# Allegro board MB1225_REVB_160222_1K.brd (continued)
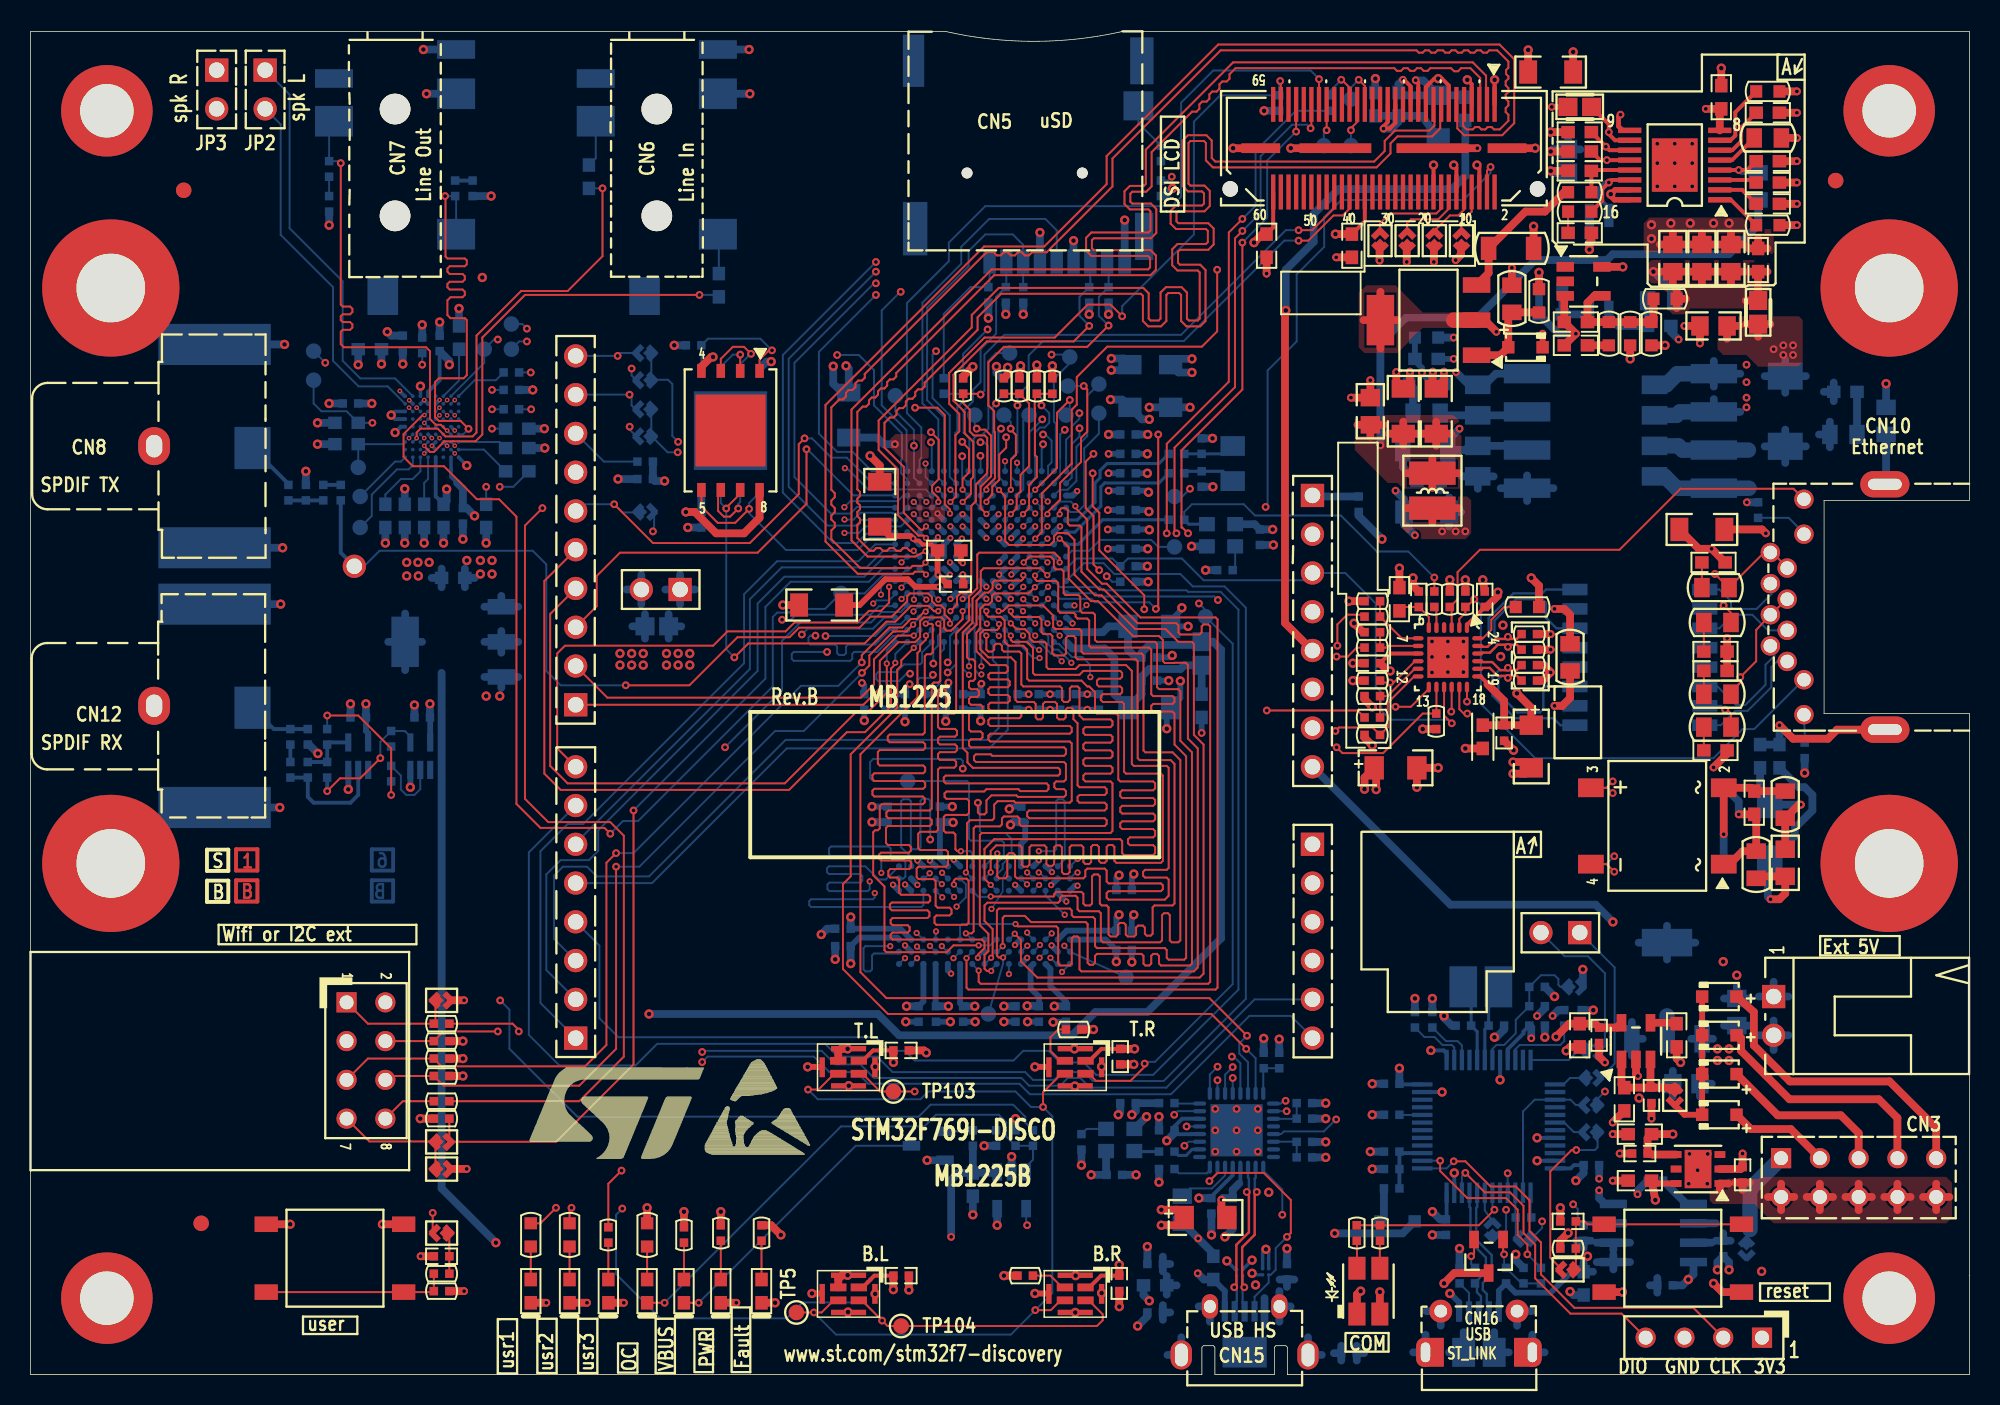
[diagram p0: board, top side]
## Routing (per net, layer and track width the routed paths; a pad name or vN(x,y) marks a point on that pad's centre or on a via; arc(x,y) is an arc through that point) (continued)
FMC_D13: length 58.7
  L4_SIG w0.102: v3(55.2,50.52) 56.49,50.52 56.62,50.39 56.62,47.12 56.74,46.99 58.47,46.99 58.72,47.24 60.12,47.24 60.58,46.79 62.46,46.79 64.03,45.21 64.03,43.05 64.57,42.52 65.38,42.52 67.06,40.84 73.36,40.84 74.9,39.29 74.9,25.27 74.78,25.15 69.42,25.15 69.29,25.27 69.29,28.7 68.96,29.03 68.96,33.4 v3(68.58,33.78)
  BOTTOM w0.127: v3(55.2,50.52) 55.21,50.52 55.42,50.72 56.24,50.72 56.63,51.12 U13.L15 ; U17.R1 68.1,33.3 v3(68.58,33.78)
FMC_D14: length 56.9
  L4_SIG w0.102: v3(67.74,30.12) 67.74,30.25 67.87,30.38 68.15,30.38 68.28,30.25 68.28,28.78 68.63,28.42 68.63,24.66 68.76,24.54 75.39,24.54 75.51,24.66 75.51,39.62 73.63,41.5 67.31,41.5 65.68,43.13 64.85,43.13 64.64,43.33 64.64,45.47 62.92,47.19 61.01,47.19 60.5,47.7 58.47,47.7 58.17,48.01 57.33,48.01 57.2,48.13 57.2,50.69 57.07,50.82 v3(57.05,50.82)
  BOTTOM w0.127: v3(67.74,30.12) 66.48,31.38 U17.N3 ; U13.L14 v3(57.05,50.82)
FMC_D15: length 59.2
  L4_SIG w0.102: v3(55.7,51.1) 55.7,50.98 55.83,50.85 56.52,50.85 56.92,50.44 56.92,47.37 57.05,47.24 58.34,47.24 58.57,47.47 60.27,47.47 60.76,46.99 62.69,46.99 64.34,45.34 64.34,43.18 64.69,42.82 65.56,42.82 67.23,41.15 73.48,41.15 75.21,39.42 75.21,24.97 75.08,24.84 69.11,24.84 68.99,24.97 68.99,28.57 68.63,28.93 68.63,31.45 68.2,31.88 68.2,32.51 v3(68.58,32.89)
  BOTTOM w0.127: v3(55.7,51.1) 55.7,51.69 56.01,51.99 U13.K15 ; v3(68.58,32.89) 68.48,32.89 U17.R2
FMC_D16: length 56.6
  L4_SIG w0.102: v2(52.17,47.35) 52.32,47.35 52.45,47.22 52.45,42.11 52.6,41.96 54.23,41.96 54.36,42.09 54.36,42.24 54.48,42.37 54.69,42.37 54.81,42.24 54.81,42.09 54.94,41.96 56.06,41.96 56.72,41.3 56.72,41.1 56.82,41 57.73,41 58.08,40.65 58.08,40.22 58.22,40.08 58.65,40.08 59,39.73 59,36.35 58.88,36.22 58.7,36.22 58.57,36.35 58.57,39.63 58.45,39.75 58.29,39.75 58.17,39.63 58.17,34.7 58.8,34.06 59.56,34.06 59.69,34.19 59.69,34.77 59.82,34.9 61.19,34.9 61.32,34.77 61.32,34.04 61.19,33.91 60.81,33.91 60.53,34.19 60.53,34.49 60.4,34.62 60.1,34.62 59.97,34.49 59.97,33.91 59.84,33.78 59.41,33.78 59.28,33.66 59.28,33.5 59.08,33.3 58.78,33.3 58.52,33.05 58.52,32.61 58.65,32.49 59.21,32.49 59.33,32.36 59.33,31.5 59.21,31.37 58.83,31.37 58.7,31.24 58.7,31.04 58.83,30.91 59.31,30.91 59.44,30.78 59.44,30.43 59.56,30.3 60.27,30.3 60.4,30.18 60.4,28.63 60.27,28.5 59.39,28.5 59.26,28.37 59.26,28.19 59.39,28.07 v3(59.69,28.07)
  BOTTOM w0.127: U13.P14 57.03,48.39 56.49,48.39 55.45,47.35 53.95,47.35 53.82,47.22 53.82,46.89 53.7,46.76 49.99,46.76 49.86,46.89 49.86,47.22 49.99,47.35 v2(52.17,47.35) ; v3(59.69,28.07) 60.06,27.7 U17.E8
FMC_D17: length 56.5
  L4_SIG w0.102: v2(52.07,48.39) 52.32,48.39 52.45,48.26 52.45,47.96 52.32,47.83 51.46,47.83 51.33,47.7 51.33,41.81 51.46,41.68 51.64,41.68 51.77,41.81 51.77,46.8 51.88,46.91 52.03,46.91 52.15,46.8 52.15,41.78 52.27,41.66 55.45,41.66 55.58,41.53 55.58,40.82 55.7,40.69 55.88,40.69 56.01,40.82 56.01,41.18 56.13,41.3 56.29,41.3 56.41,41.17 56.41,40.82 56.54,40.69 57.61,40.69 57.73,40.56 57.73,40.39 57.61,40.26 56.73,40.26 56.62,40.15 56.62,39.99 56.73,39.88 57.73,39.88 57.86,39.75 57.86,34.21 57.99,34.09 58.42,34.09 58.55,33.96 58.55,33.43 58.42,33.3 57.91,33.3 57.78,33.17 57.78,32.99 57.91,32.87 58.14,32.87 58.27,32.74 58.27,32.41 58.42,32.26 58.98,32.26 59.11,32.13 59.11,31.83 58.98,31.7 58.01,31.7 57.89,31.57 57.89,31.39 58.01,31.27 58.29,31.27 58.42,31.14 58.42,30.81 58.55,30.68 59.11,30.68 59.23,30.56 59.23,30.35 59.11,30.23 58.55,30.23 58.42,30.1 58.42,29.49 58.55,29.36 58.7,29.36 58.83,29.49 58.83,29.82 58.95,29.95 60.02,29.95 60.15,29.82 60.15,28.88 60.02,28.75 59.84,28.75 59.72,28.88 59.72,29.52 59.6,29.64 59.26,29.64 59.13,29.51 59.13,29.16 59.26,29.03 v3(59.31,29.03)
  BOTTOM w0.127: v2(52.07,48.39) 55.32,48.39 56.1,49.16 57,49.16 U13.N14 ; v3(59.31,29.03) 59.28,29.01 U17.D7
FMC_D18: length 56.5
  L4_SIG w0.102: v2(51.41,48.41) 51.41,48.23 51.03,47.85 51.03,41.48 51.16,41.35 55.14,41.35 55.27,41.22 55.27,40.49 55.37,40.39 56.17,40.39 56.29,40.27 56.29,40.1 56.17,39.98 55.37,39.98 55.27,39.88 55.27,39.65 55.37,39.55 57.44,39.55 57.56,39.43 57.56,39.26 57.44,39.14 55.37,39.14 55.27,39.04 55.27,38.81 55.4,38.68 56.67,38.68 56.77,38.58 56.77,38.33 56.69,38.25 55.68,38.25 55.55,38.13 55.55,37.9 55.68,37.77 56.62,37.77 56.74,37.64 56.74,32.76 56.86,32.64 57.03,32.64 57.15,32.76 57.15,38.74 57.27,38.86 57.44,38.86 57.56,38.74 57.56,32.61 57.68,32.49 57.68,31.24 58.17,30.76 58.17,29.34 58.45,29.06 58.79,29.06 58.91,28.93 v3(58.91,28.08)
  BOTTOM w0.127: v2(51.41,48.41) 51.08,48.41 50.95,48.29 50.95,47.96 51.08,47.83 52.7,47.83 52.83,47.7 52.83,47.27 52.96,47.14 53.29,47.14 53.42,47.27 53.42,47.7 53.54,47.83 55.32,47.83 56.29,48.79 U13.P15 ; U17.D8 59.28,27.71 v3(58.91,28.08)
FMC_D19: length 57.3
  L4_SIG w0.102: v2(50.52,48.49) 50.42,48.39 50.42,40.87 50.55,40.74 53.73,40.74 53.85,40.62 53.85,40.45 53.73,40.34 50.51,40.34 50.39,40.22 50.39,40.05 50.51,39.93 53.7,39.93 53.82,39.8 53.82,35.26 53.95,35.13 54.1,35.13 54.23,35.26 54.23,40.6 54.35,40.72 54.52,40.72 54.64,40.6 54.64,35.26 54.76,35.13 55.47,35.13 55.6,35.26 55.6,37.01 55.73,37.13 56.01,37.13 56.13,37.01 56.13,31.93 57.63,30.43 57.63,28.8 57.94,28.5 58.42,28.5 58.55,28.37 58.55,27.15 58.42,27.03 58.19,27.03 58.06,27.15 v3(58.06,27.28)
  BOTTOM w0.127: v2(50.52,48.49) 50.9,48.87 55.18,48.87 55.91,49.59 U13.N15 ; v3(58.06,27.28) U17.B9
FMC_D20: length 57
  L4_SIG w0.102: v3(58.06,28.04) 58.22,28.04 58.34,27.91 58.34,27.78 58.22,27.66 57.79,27.66 57.68,27.77 57.68,28.4 57.4,28.68 57.25,28.68 57,28.43 56.84,28.43 56.72,28.55 56.72,28.71 57.42,29.41 57.42,29.58 57.3,29.69 57.13,29.69 56.45,29.01 56.31,29.01 56.14,29.17 56.14,29.32 57.17,30.34 57.17,30.51 57.05,30.63 56.88,30.63 55.86,29.61 55.71,29.61 55.55,29.77 55.55,29.95 56.56,30.96 56.56,31.14 56.43,31.28 56.25,31.28 55.6,30.63 55.47,30.63 54.29,31.82 54.14,31.82 54.04,31.71 53.87,31.71 53.76,31.83 53.76,31.99 53.95,32.19 53.95,32.36 53.83,32.48 53.66,32.48 53.21,32.03 53.06,32.03 52.95,32.14 52.95,32.29 53.29,32.62 53.29,32.99 50.46,35.83 50.46,36.04 50.33,36.17 50.11,36.17 49.99,36.3 49.99,36.46 50.11,36.58 52.43,36.58 52.55,36.7 52.55,36.91 52.43,37.03 49.24,37.03 49.12,37.15 49.12,37.32 49.24,37.44 52.43,37.44 52.55,37.56 52.55,37.73 52.43,37.85 49.23,37.85 49.1,37.97 49.1,49.33 v2(49.23,49.45)
  BOTTOM w0.127: v3(58.06,28.04) 58.41,27.7 U17.C8 ; v2(49.23,49.45) 49.81,49.45 50.14,49.78 55.02,49.78 55.58,50.34 56.58,50.34 U13.M15
FMC_D21: length 57
  L4_SIG w0.102: v3(58.65,56.37) 58.65,56.62 58.53,56.74 57.56,56.74 57.43,56.87 57.43,57.23 57.3,57.35 57.05,57.35 56.92,57.23 56.92,55.68 56.82,55.58 56.62,55.58 56.52,55.68 56.52,57.23 56.39,57.35 56.24,57.35 56.11,57.23 56.11,55.68 56.01,55.58 55.8,55.58 55.7,55.68 55.7,57.23 55.58,57.35 55.42,57.35 55.3,57.23 55.3,55.68 55.19,55.58 54.99,55.58 54.89,55.68 54.89,57.23 54.76,57.35 54.61,57.35 54.48,57.23 54.48,55.68 54.38,55.58 54.18,55.58 54.08,55.68 54.08,57.23 53.95,57.35 53.11,57.35 48.77,53.01 48.77,37.06 52.86,32.97 52.86,32.66 52.53,32.33 52.53,32.13 53.26,31.39 54.28,31.39 54.3,31.37 54.31,31.37 55.24,30.43 55.24,29.64 56.67,28.22 56.67,27.61 57,27.28 v3(57.28,27.28)
  BOTTOM w0.127: U17.A9 57.26,27.28 v3(57.28,27.28) ; U13.E12 v3(58.65,56.37)
FMC_D22: length 56.6
  L4_SIG w0.102: v3(58.04,28.93) 57.89,29.08 57.89,30.61 56.92,31.57 56.92,32.21 56.44,32.69 56.44,37.26 56.23,37.47 55.55,37.47 55.3,37.72 55.12,37.72 54.94,37.9 54.94,40.92 54.81,41.05 50.85,41.05 50.72,41.17 50.72,48.01 50.95,48.23 50.95,48.69 50.72,48.92 50.72,49.1 50.85,49.23 51.27,49.23 51.38,49.34 51.38,49.51 51.27,49.63 50.85,49.63 50.72,49.76 50.72,49.91 50.85,50.04 52.33,50.04 52.45,50.16 52.45,50.33 52.33,50.44 50.85,50.44 50.72,50.57 50.72,50.72 50.85,50.85 52.33,50.85 52.45,50.97 52.45,51.14 52.33,51.26 50.85,51.26 50.72,51.38 50.72,51.54 50.85,51.66 52.33,51.66 52.45,51.78 52.45,51.95 52.33,52.07 50.85,52.07 50.72,52.2 50.72,52.4 50.85,52.53 52.33,52.53 52.45,52.65 52.45,52.81 52.33,52.93 50.85,52.93 50.72,53.06 50.72,53.24 50.9,53.42 52.32,53.42 52.45,53.54 52.45,53.72 52.32,53.85 51.71,53.85 51.59,53.98 51.59,54.1 52.65,55.17 52.81,55.17 52.93,55.04 52.93,54.86 53.06,54.74 53.47,54.74 53.98,55.24 57.05,55.24 57.23,55.42 57.23,56.34 57.35,56.46 57.76,56.46 v3(57.85,56.37)
  BOTTOM w0.102: U13.E13 v3(57.85,56.37)
  BOTTOM w0.127: U17.C7 58.47,28.5 v3(58.04,28.93)
FMC_D23: length 56.9
  L4_SIG w0.102: v3(56.31,28.07) 56.24,28.07 54.92,29.39 54.92,30.33 54.15,31.09 53.14,31.09 52.06,32.16 52.06,32.31 52.48,32.72 52.48,32.87 52.32,33.03 52.17,33.03 51.77,32.63 51.63,32.63 51.48,32.77 51.48,32.91 51.89,33.32 51.89,33.46 51.74,33.6 51.6,33.6 51.2,33.2 51.05,33.2 50.91,33.34 50.91,33.49 51.31,33.89 51.31,34.03 51.17,34.18 51.02,34.18 50.62,33.78 50.48,33.78 50.33,33.92 50.33,34.06 50.73,34.47 50.73,34.61 50.59,34.75 50.45,34.75 50.05,34.35 49.9,34.35 49.76,34.49 49.76,34.64 50.16,35.04 50.16,35.18 50.02,35.33 49.87,35.33 49.47,34.93 49.33,34.93 49.18,35.07 49.18,35.21 49.58,35.62 49.58,35.76 49.44,35.9 49.3,35.9 48.9,35.5 48.75,35.5 48.61,35.64 48.61,35.79 49.01,36.19 49.01,36.33 48.46,36.88 48.46,53.14 52.98,57.66 58.19,57.66 58.32,57.53 58.32,57.3 58.19,57.17 v3(57.85,57.17)
  BOTTOM w0.127: U17.A8 56.77,27.58 55.24,27.58 55.12,27.46 55.12,26.54 54.99,26.42 54.69,26.42 54.56,26.54 54.56,27.94 54.69,28.07 v3(56.31,28.07) ; U13.D13 v3(57.85,57.17)
FMC_D24: length 57.6
  L4_SIG w0.102: v3(53.31,55.14) 53.31,55.52 53.21,55.63 52.68,55.63 50.42,53.37 50.42,49 50.09,48.67 50.09,39.73 50.19,39.62 53.42,39.62 53.52,39.52 53.52,39.32 53.42,39.22 50.24,39.22 50.11,39.09 50.11,38.89 50.24,38.76 53.37,38.76 53.49,38.63 53.49,34.92 53.62,34.8 55.65,34.8 55.78,34.67 55.78,34.44 55.68,34.34 53.69,34.34 53.57,34.22 53.57,34.05 53.69,33.93 55.68,33.93 55.78,33.83 55.78,32.92 v3(55.73,32.87)
  BOTTOM w0.127: U17.A2 57.18,32.5 57.3,32.63 57.3,33.6 57.18,33.73 56.46,33.73 56.34,33.86 56.34,34.47 56.21,34.59 52.43,34.59 52.3,34.47 52.3,34.09 52.43,33.96 55.6,33.96 55.73,33.83 v3(55.73,32.87) ; v3(53.31,55.14) 54.25,55.14 54.69,55.58 57.01,55.58 U13.E14
FMC_D25: length 57
  L4_SIG w0.102: v3(55.3,31.55) 55.3,31.24 55.42,31.11 55.68,31.11 55.8,31.24 55.8,31.83 55.68,31.95 55.47,31.95 55.35,32.08 55.35,32.56 55.22,32.69 54.5,32.69 54.38,32.81 54.38,32.98 54.5,33.1 55.3,33.1 55.42,33.22 55.42,33.41 55.3,33.53 53.64,33.53 52.27,34.9 52.27,35.05 52.4,35.18 53.08,35.18 53.19,35.29 53.19,35.45 53.08,35.56 51.62,35.56 51.51,35.67 51.51,35.83 51.62,35.94 53.06,35.94 53.19,36.07 53.19,38.33 53.06,38.46 49.86,38.46 49.73,38.58 49.73,48.87 50.11,49.25 50.11,53.49 52.64,56.02 v3(53.31,56.02)
  BOTTOM w0.127: v3(55.3,31.55) 55.3,31.26 55.18,31.14 51.13,31.14 51,31.01 51,30.76 51.13,30.63 58.36,30.63 58.48,30.76 U17.C3 ; v3(53.31,56.02) 53.91,56.02 54.36,56.46 56.44,56.46 56.48,56.43 57.06,56.43 U13.D14
FMC_D26: length 57.1
  L4_SIG w0.102: v3(54.97,32.31) 54.99,32.28 54.99,32 54.86,31.88 54.66,31.88 54.53,32 54.53,32.21 54.05,32.69 54.05,33.1 53.94,33.21 53.53,33.21 50.77,35.97 50.77,36.13 50.89,36.25 52.76,36.25 52.88,36.37 52.88,38.02 52.76,38.15 49.53,38.15 49.4,38.28 49.4,48.97 49.81,49.38 49.81,50.7 49.58,50.93 49.2,50.93 49.07,51.05 49.07,51.26 49.2,51.38 49.71,51.38 49.81,51.49 49.81,51.69 49.71,51.79 49.17,51.79 49.07,51.89 49.07,52.1 49.17,52.2 49.68,52.2 49.78,52.3 49.78,52.5 49.68,52.6 49.19,52.6 49.07,52.72 49.07,52.88 49.19,53 49.7,53 49.78,53.09 49.78,53.59 53.02,56.83 v3(53.3,56.83)
  BOTTOM w0.127: v3(53.3,56.83) 53.7,57.23 56.48,57.23 56.48,57.23 56.79,57.23 57.16,57.59 U13.C14 ; U17.A1 56.02,32.44 55.55,32.44 54.69,33.3 52.3,33.3 52.17,33.17 52.17,32.92 52.3,32.79 54.36,32.79 54.48,32.66 54.48,32.36 54.36,32.23 52.32,32.23 52.2,32.11 52.2,31.8 52.32,31.67 54.84,31.67 54.97,31.8 v3(54.97,32.31)
FMC_D27: length 56.5
  L4_SIG w0.102: v3(58.89,32.84) 58.89,32.81 59.01,32.69 59.19,32.69 59.31,32.81 59.31,32.99 59.49,33.17 59.49,33.45 59.61,33.58 59.92,33.58 60.05,33.45 60.05,33.12 60.15,33.02 60.45,33.02 60.58,33.15 60.58,33.27 60.91,33.6 61.95,33.6 62.08,33.73 62.08,34.01 61.95,34.14 61.72,34.14 61.59,34.26 61.59,34.57 61.72,34.7 62.15,34.7 62.28,34.82 62.28,35.08 62.15,35.2 59.51,35.2 59.39,35.08 59.39,34.49 59.26,34.37 58.98,34.37 58.5,34.85 58.5,35.79 58.62,35.92 59.82,35.92 59.94,36.04 59.94,36.25 59.82,36.37 59.46,36.37 59.33,36.5 59.33,39.83 57.53,41.63 56.87,41.63 56.24,42.27 56.11,42.27 55.98,42.39 55.98,42.77 55.85,42.9 55.65,42.9 55.52,42.77 55.52,42.39 55.4,42.27 55.22,42.27 55.09,42.39 55.09,43.3 54.97,43.43 54.2,43.43 54.08,43.3 54.08,42.39 53.95,42.27 53.72,42.27 53.62,42.37 53.62,43.33 53.52,43.43 53.31,43.43 53.21,43.33 53.21,42.37 53.11,42.27 52.88,42.27 52.76,42.39 52.76,49.3 52.63,49.43 52.37,49.43 52.25,49.3 52.25,48.97 52.12,48.84 51.84,48.84 51.71,48.97 51.71,49.61 51.84,49.73 52.63,49.73 52.76,49.86 52.76,53.89 52.37,54.28 52.37,54.42 52.51,54.57 52.65,54.57 53.12,54.1 53.26,54.1 54.08,54.91 57.07,54.91 57.48,55.32 57.48,55.85 57.61,55.98 58.83,55.98 59.03,56.18 59.03,56.69 58.67,57.05 v3(58.67,57.18)
  BOTTOM w0.127: U17.C2 58.55,32.5 v3(58.89,32.84) ; U13.C13 58.26,57.59 58.67,57.18 v3(58.67,57.18)
FMC_D28: length 57
  L4_SIG w0.102: v2(58.93,35.05) 58.8,35.18 58.8,35.48 58.93,35.61 60.78,35.61 60.91,35.74 60.91,36.58 60.78,36.7 59.82,36.7 59.69,36.83 59.69,39.9 57.66,41.94 57,41.94 56.39,42.55 56.39,42.8 55.45,43.74 53.19,43.74 53.06,43.87 53.06,53.44 54.23,54.61 57.12,54.61 57.78,55.27 57.78,55.63 57.91,55.75 58.09,55.75 58.22,55.63 58.22,55.34 58.34,55.22 61.34,55.22 61.47,55.34 61.47,56.36 61.59,56.49 61.95,56.49 62.08,56.36 62.08,56.13 62.2,56.01 63.65,56.01 63.78,56.13 63.78,57.04 63.91,57.17 v3(64.21,57.17)
  BOTTOM w0.127: U17.B1 57.68,33.88 57.02,34.54 57.02,37.57 57.15,37.69 57.53,37.69 57.66,37.57 57.66,34.54 57.78,34.42 58.17,34.42 58.29,34.54 58.29,37.59 58.42,37.72 58.8,37.72 58.93,37.59 v2(58.93,35.05) ; U13.D6 v3(64.21,57.17)
FMC_D29: length 56.6
  L4_SIG w0.102: v3(59.69,32.13) 59.69,31.88 59.82,31.75 59.97,31.75 60.1,31.88 60.1,32.4 60.21,32.51 60.91,32.51 61.03,32.38 61.03,32.08 61.16,31.95 62.33,31.95 62.46,32.08 62.46,32.36 62.59,32.49 63.68,32.49 63.96,32.77 63.96,34.8 63.83,34.92 63.55,34.92 63.42,34.8 63.42,34.62 63.3,34.49 63.02,34.49 62.89,34.62 62.89,37.06 62.76,37.19 62.61,37.19 62.48,37.31 62.48,37.52 62.61,37.64 62.76,37.64 62.89,37.77 62.89,38 62.76,38.13 60.43,38.13 60.3,38.25 60.3,40.16 57.76,42.7 57.76,43.15 57.61,43.31 56.85,43.31 55.7,44.45 54.84,44.45 54.71,44.58 54.71,44.73 54.58,44.86 54.38,44.86 54.25,44.73 54.25,44.55 54.13,44.42 53.8,44.42 53.67,44.55 53.67,44.74 53.79,44.86 53.9,44.86 54.03,44.98 54.03,45.19 53.9,45.31 53.78,45.31 53.67,45.42 53.67,45.57 53.78,45.68 53.91,45.68 54.01,45.78 54.01,45.98 53.91,46.09 53.79,46.09 53.67,46.2 53.67,46.37 53.79,46.49 53.88,46.49 54,46.61 54,46.78 53.88,46.9 53.77,46.9 53.67,47 53.67,53.14 54.51,53.98 57.25,53.98 57.73,53.49 57.73,53.04 57.89,52.88 58.09,52.88 58.27,53.06 58.27,53.52 58.34,53.59 58.9,53.59 59.03,53.72 59.03,54.1 59.16,54.23 59.51,54.23 59.64,54.1 59.64,54 59.77,53.87 64.26,53.87 64.39,54 64.39,54.28 64.26,54.41 63.93,54.41 63.8,54.53 63.8,55.09 63.93,55.22 64.51,55.22 64.67,55.37 64.67,55.72 64.88,55.93 66.09,55.93 66.22,56.06 66.22,56.29 66.09,56.42 v3(65.81,56.42)
  BOTTOM w0.127: U17.D2 59.65,32.13 v3(59.69,32.13) ; U13.D4 v3(65.81,56.42)
FMC_D30: length 56.8
  L4_SIG w0.102: v3(65.02,55.58) 65.02,55.37 64.59,54.94 64.59,53.72 64.47,53.59 59.23,53.59 59.08,53.44 59.08,52.96 58.95,52.83 58.39,52.83 58.27,52.7 58.27,52.17 58.12,52.02 57.63,52.02 57.48,52.17 57.48,53.39 57.2,53.67 54.66,53.67 53.98,52.98 53.98,47.24 54.1,47.12 54.76,47.12 54.89,46.99 54.89,45.17 54.94,45.12 54.94,44.93 55.12,44.76 55.83,44.76 56.97,43.61 57.73,43.61 58.06,43.28 58.06,42.82 60.6,40.28 60.6,38.56 60.73,38.43 64.31,38.43 64.44,38.3 64.44,38.1 64.31,37.97 63.32,37.97 63.2,37.85 63.2,35.36 63.32,35.23 64.14,35.23 64.26,35.1 64.26,32.72 63.83,32.28 63.83,31.67 64.14,31.37 64.14,30.28 64.01,30.15 63.75,30.15 63.63,30.28 63.63,31.27 63.22,31.67 60.25,31.67 60.12,31.55 60.12,30.73 59.99,30.61 59.79,30.61 59.66,30.73 59.66,31.22 v3(59.72,31.27)
  BOTTOM w0.127: U13.E4 65.02,55.59 v3(65.02,55.58) ; U17.D3 v3(59.72,31.27)
FMC_D31: length 57.2
  L4_SIG w0.102: v3(65.01,57.17) 64.77,57.17 64.64,57.04 64.64,56.13 64.44,55.93 64.06,55.93 63.85,55.72 63.85,55.49 63.55,55.19 63.17,55.19 63.04,55.07 63.04,54.31 62.92,54.18 62.31,54.18 62.18,54.31 62.18,55.25 62.05,55.37 61.87,55.37 61.75,55.25 61.75,54.46 61.62,54.33 60.2,54.33 60.07,54.46 58.32,54.46 58.27,54.41 57.35,54.41 57.28,54.33 55.8,54.33 55.78,54.31 54.41,54.31 53.37,53.26 53.37,44.25 53.49,44.12 55.5,44.12 56.74,42.88 56.74,42.62 57.12,42.24 57.78,42.24 59.99,40.03 59.99,37.92 60.12,37.8 61.47,37.8 61.59,37.67 61.59,37.47 61.47,37.34 61.01,37.34 60.88,37.21 60.88,37.03 61.01,36.91 62.46,36.91 62.59,36.78 62.59,36.53 62.46,36.4 61.34,36.4 61.21,36.27 61.21,35.64 61.34,35.51 61.57,35.51 61.7,35.64 61.7,35.89 61.82,36.02 62.46,36.02 62.59,35.89 62.59,34.62 62.33,34.37 62.33,33.78 62.46,33.66 63.6,33.66 63.73,33.53 63.73,32.87 63.6,32.74 63.37,32.74 63.25,32.87 63.25,33.2 63.12,33.32 62.23,33.32 62.1,33.2 62.1,32.38 61.98,32.26 61.77,32.26 61.65,32.38 61.65,33.2 61.52,33.32 60.96,33.32 60.83,33.2 60.83,32.92 60.71,32.79 59.79,32.79 v3(59.71,32.88)
  BOTTOM w0.127: U13.D5 v3(65.01,57.17) ; U17.E2 v3(59.71,32.88)
LED_G_A: length 29.1
  TOP w0.127: U3.3 93.09,50.17 R28.2 93.47,50.8 93.47,52.58 94.93,54.04 104.08,54.04 108.08,58.04 115.47,58.04 CN10.12
LED_G_K: length 3.5
  BOTTOM w0.127: CN10.11 115.67,55.63 115.16,56.13 R105.2
LED_STLINK: length 10.6
  TOP w0.127: v2(95.89,10.79) 94.87,9.78 R61.1 R60.1
  BOTTOM w0.127: U19.30 95.75,10.93 v2(95.89,10.79)
LED_Y_A: length 34.1
  TOP w0.127: v2(94.56,50.8) 94.06,50.29 R29.2 93.98,49.91 93.59,49.52 U3.2
  BOTTOM w0.127: CN10.10 116.13,45.52 112.9,42.29 112.14,42.29 110.24,40.39 98.55,40.39 95,43.94 95,50.42 94.61,50.8 v2(94.56,50.8)
LED_Y_K: length 1.8
  BOTTOM w0.127: CN10.9 116.23,41.43 R113.2
LRCLK: length 2.9
  TOP w0.127: CN1.37 86.9,82.07 86.49,81.66 v2(86.49,81.53)
  BOTTOM w0.127: TP3.1 v2(86.49,81.53)
MIC_CLK: length 10.2
  L4_SIG w0.089: 24.13,63.37 24.38,63.12 24.38,62.74 25.77,61.36 v4(25.79,61.36)
  L4_SIG w0.102: 24.13,63.37 22.1,65.41 20.19,65.41 v2(19.3,66.29)
  BOTTOM w0.089: U11.C6 v4(25.79,61.36)
  BOTTOM w0.127: TP105.1 v2(19.3,66.29)
MIC_DATA1: length 6.5
  BOTTOM w0.127: U11.B9 25.04,59.58 24.77,59.31 24,59.31 22.35,57.66 22.35,56.26 TP106.1
MIC_DATA2: length 4
  BOTTOM w0.127: U11.A9 24.25,59.82 23.88,59.82 TP107.1
MIC_VDD1: length 4.7
  BOTTOM w0.127: U11.A7 24.4,60.96 C79.2 TP108.1
MIC_VDD2: length 9.1
  L4_SIG w0.102: v2(22.39,62.36) 23.92,62.36 24.79,61.49 v4(24.79,61.35)
  BOTTOM w0.089: U11.B6 v4(24.79,61.35)
  BOTTOM w0.127: v2(22.39,62.36) C73.2 20.7,63.12 19.05,63.12 18.54,63.63 TP109.1
NETB1_2: length 12.1
  TOP w0.127: R68.2 R70.2 26.35,5.4 B1.2 B1.3
NETB2_1: length 14.1
  TOP w0.127: B2.1 B2.4 101.98,9.84 101.79,10.03 C53.2 R67.1 101.22,6.86
NETC4_1: length 60.1
  TOP w0.508: R3.1 v2(115.7,81.03) ; v2(115.95,37.34) 115.82,37.34 R48.2 C40.1 ; C5.1 v2(115.7,82.68) ; U1.8 110.65,82.83 C4.1 v2(109.73,82.93) ; C8.1 v2(115.7,79.5) ; R1.1 v2(115.7,84.07)
  L4_SIG w0.508: v2(115.7,79.5) 114.05,77.85 114.05,72.49 113.28,71.73 113.28,55.88 112.24,54.84 112.24,46.51 113.21,45.54 113.21,42.06 114.73,40.54 114.73,38.56 v2(115.95,37.34)
  BOTTOM w0.508: C122.1 113.28,38.09 D10.1 114.04,37.34 v2(115.95,37.34)
  vias: v2(106.55,80.64) v2(106.55,79.38) v2(106.55,77.85) v2(107.7,80.64) v2(107.7,79.38) v2(107.7,77.85) v2(108.84,80.64) v2(108.84,79.38) v2(108.84,77.85)
NETC5_2: length 3.9
  TOP w0.254: U1.6 111.47,80.22 112.04,80.8 112.04,81.69 C5.2
NETC6_2: length 28.1
  TOP w0.254: U1.11 103.42,80.22 v2(103.19,80.45) C6.2
  L4_SIG w0.381: v2(103.19,80.45) 102.36,79.63 102.36,78.79 99.19,75.62 99.19,73.66 96.27,70.74 94.46,70.74 91.14,67.41 v2(91.14,65.66)
  BOTTOM w0.381: R25.2 C24.2 90.68,66.42 91.14,65.96 v2(91.14,65.66) 91.14,65.58 91.82,64.9 D3.2
NETC7_2: length 20.9
  TOP w0.254: C7.2 102.8,79.57 v2(103.25,79.57) U1.12
  L4_SIG w0.381: v2(103.25,79.57) 103.25,78.82 99.82,75.39 99.82,72.26 97.41,69.85 95.12,69.85 v2(93.22,67.94)
  BOTTOM w0.508: v2(93.22,67.94) R25.1
NETC8_2: length 4
  TOP w0.254: C8.2 112.45,78.92 v2(111.89,78.92) U1.4
  BOTTOM w0.254: v2(111.89,78.92) 112.07,78.74 R75.1
NETC9_2: length 3.9
  TOP w0.254: R4.1 C9.2 102.29,78.92 U1.13
NETC10_1: length 2.5
  TOP w0.254: C10.1 112.86,78.27 U1.3
NETC11_1: length 2.8
  TOP w0.254: C11.1 112.12,77.62 U1.2
NETC12_2: length 1.4
  TOP w0.127: R5.1 C12.2
NETC17_1: length 8.5
  TOP w0.508: C19.1 v2(101.22,68.2) C17.1 100.46,70.61 U2.3
  BOTTOM w0.508: v2(101.22,68.2) 100.08,68.2 C200.2 R85.2
NETC17_2: length 8.2
  TOP w0.508: U2.4 102.43,70.68 101.98,70.23 C17.2 R13.2 R14.2 R15.2 106.3,69.09 R11.1
NETC18_2: length 10.8
  TOP w0.508: 112.36,68.82 R16.1 ; R16.1 113.16,68 ; R16.1 113.96,68.82 ; 111.9,68.71 C18.2 111.12,67.87
  BOTTOM w0.508: D2.2 116.28,65.42 ; D2.2 114.94,66.51 ; D2.2 113.59,65.42 ; D2.2 114.94,64.33 ; 118.11,63.78 C21.2 ; C21.2 118.11,65 ; C21.2 117.46,64.39
  vias: v2(114.17,67.18) v2(114.81,67.44) v2(114.81,66.8) v2(115.44,67.44) v2(115.44,66.8)
NETC19_2: length 1.4
  TOP w0.508: C19.2 R13.1
NETC21_1: length 2.8
  BOTTOM w0.508: R22.2 C21.1
NETC22_1: length 2.4
  BOTTOM w0.508: R23.1 89.89,59.46 C22.1
NETC26_1: length 23
  TOP w0.508: C34.1 C32.1 v2(111.12,48.26) ; C37.1 111.12,40.67 v2(110.24,39.78) ; C26.1 v2(110.11,54.1) 109.27,54.1 C89.2
  L4_SIG w0.508: v2(110.11,54.1) 111.53,52.68 111.53,48.67 v2(111.12,48.26) 110.24,47.37 v2(110.24,39.78)
NETC26_2: length 1.7
  TOP w0.127: C26.2 R26.1
NETC28_2: length 3
  TOP w0.127: U3.6 91.59,49.64 C29.2 89.92,50.29 C28.2
NETC30_2: length 20.2
  TOP w0.254: U3.19 94.98,45.74 95.43,45.29 95.43,45.24 ; U3.1 94.09,49.12 95.25,50.28 C30.2
  TOP w0.508: C35.2 96.52,44.15 95.43,45.24 ; C35.2 L2.1 ; C35.2 C36.1 98.3,43.69 v1(97.36,44.63) ; v1(96.11,51.26) 96.11,51.03 95.38,50.29 C30.2
  L4_SIG w0.508: v1(96.11,51.26) 96.11,50.67 97.49,49.3 97.49,44.75 v1(97.36,44.63)
NETC31_2: length 7.6
  TOP w0.381: C31.2 54.31,50.42 55.99,52.11 57.46,52.11 57.96,51.61 v3(59.46,51.61)
  BOTTOM w0.381: U13.L11 59.46,51.56 v3(59.46,51.61)
NETC32_2: length 1.9
  TOP w0.127: R33.1 C32.2
NETC34_2: length 1.5
  TOP w0.127: R42.1 C34.2
NETC37_2: length 1.5
  TOP w0.127: R46.1 C37.2
NETC39_1: length 9.1
  TOP w0.508: v2(110.9,35.4) D4.2 112.69,38.44 C39.1 R48.1
  BOTTOM w0.508: D9.2 v2(110.9,35.4)
NETC39_2: length 8.2
  TOP w0.508: v2(111.89,36.7) C39.2 113.03,36.58 R49.1 112.14,34.29 111.16,33.31 D4.1
  BOTTOM w0.508: v2(111.89,36.7) 111.89,37.55 111.12,38.31 D9.1
NETC40_2: length 115.3
  TOP w0.508: 91.11,61.65 C75.2 ; C75.2 93.04,61.65 ; C75.2 92.08,60.86 ; C75.2 92.08,62.43 ; C70.2 90.88,61.65 ; C70.2 89.92,62.43 ; C70.2 88.95,61.65 ; C70.2 89.92,60.86 ; v2(113.97,31.14) 114.55,31.14 114.94,31.52 114.94,32.64 113.16,32.64 R49.2 ; 90.09,59.06 L5.2 ; L5.2 91.82,58.09 ; L5.2 93.55,59.06 ; L5.2 91.82,60.02 ; 87.76,61.45 C81.2 ; C81.2 88.6,62.23 ; C81.2 86.92,62.23
  L4_SIG w0.508: v2(88.42,60.88) 91.77,60.88 96.77,55.88 96.77,52.45 98.17,51.05 98.17,35.48 102.16,31.5 113.61,31.5 v2(113.97,31.14)
  BOTTOM w0.508: C121.2 115.82,38.48 116.2,38.48 116.71,37.97 116.71,36.96 115.56,35.81 115.56,35.31 D10.2 113.79,33.53 113.79,31.32 v2(113.97,31.14) ; R75.2 113.16,75.31 111.25,73.41 103.63,73.41 103.25,73.03 98.55,73.03 94.77,69.24 90.09,69.24 88.42,67.56 v2(88.42,60.88)
NETC43_2: length 1.7
  TOP w0.508: U4.4 107.77,23.04 C43.2
NETC46_2: length 7.3
  TOP w0.508: U4.3 106.11,18.98 106.23,18.86 C46.2 ; C46.2 C47.2 104.21,18.98 U4.1 ; C46.2 107.82,18.8
NETC52_2: length 4.3
  TOP w0.508: C52.2 78,10.64 v2(78,11.46)
  BOTTOM w0.254: U20.20 79.24,12.59 79.17,12.52
  BOTTOM w0.508: 79.17,12.52 78.74,12.09 C149.2 78.11,11.56 v2(78,11.46)
NETC54_2: length 2.6
  TOP w0.127: 27.41,9.19 27.43,9.17 C54.2 R68.1
NETC57_1: length 30.1
  TOP w0.127: v2(20.32,79.38) 20.32,70.1 20.45,69.98 20.93,69.98 21.08,69.83 21.08,69.62 20.93,69.47 20.45,69.47 20.32,69.34 20.32,69.09 20.45,68.96 20.93,68.96 21.08,68.81 21.08,68.6 20.93,68.45 20.45,68.45 20.32,68.33 20.32,67.51 20.52,67.31 25.91,67.31 26.16,67.06 26.16,62.61 26.54,62.23 26.88,62.23 27.25,61.85 v4(27.29,61.85)
  BOTTOM w0.127: CN7.4 19.56,81.8 C57.1 20.19,79.5 v2(20.32,79.38) ; U11.G6 v4(27.29,61.85)
NETC57_2: length 1.3
  BOTTOM w0.127: C57.2 R78.1
NETC58_1: length 27.2
  TOP w0.127: v2(37.47,77.72) 37.47,73.28 35.18,70.99 32.13,70.99 29.21,68.07 29.21,61.72 28.96,61.47 27.18,61.47 26.67,61.98 25.54,61.98 25.29,61.72 v4(25.29,61.35)
  BOTTOM w0.127: C58.1 v2(37.47,77.72) ; U11.B7 v4(25.29,61.35)
NETC58_2: length 3.1
  BOTTOM w0.127: CN6.4 37.02,79.69 C58.2
NETC59_1: length 30.1
  TOP w0.127: v2(27.15,77.22) 27.18,77.19 27.18,73.25 27.3,73.13 28.45,73.13 28.57,73 28.57,72.75 28.45,72.62 27.45,72.62 27.3,72.47 27.3,72.26 27.45,72.11 28.3,72.11 28.45,71.96 28.45,71.75 28.3,71.6 27.45,71.6 27.3,71.45 27.3,71.24 27.45,71.09 28.3,71.09 28.45,70.95 28.45,70.74 28.3,70.59 27.51,70.59 27.3,70.38 27.3,69.42 27.51,69.22 28.45,69.22 28.57,69.09 28.57,65.48 28.37,65.28 26.75,65.28 26.5,65.02 26.5,63.47 26.49,63.47 26.49,63.23 26.5,63.22 26.5,62.73 26.75,62.48 28.17,62.48 v2(28.69,61.96)